# KiCad board klofi_3x5.kicad_pcb (continued)
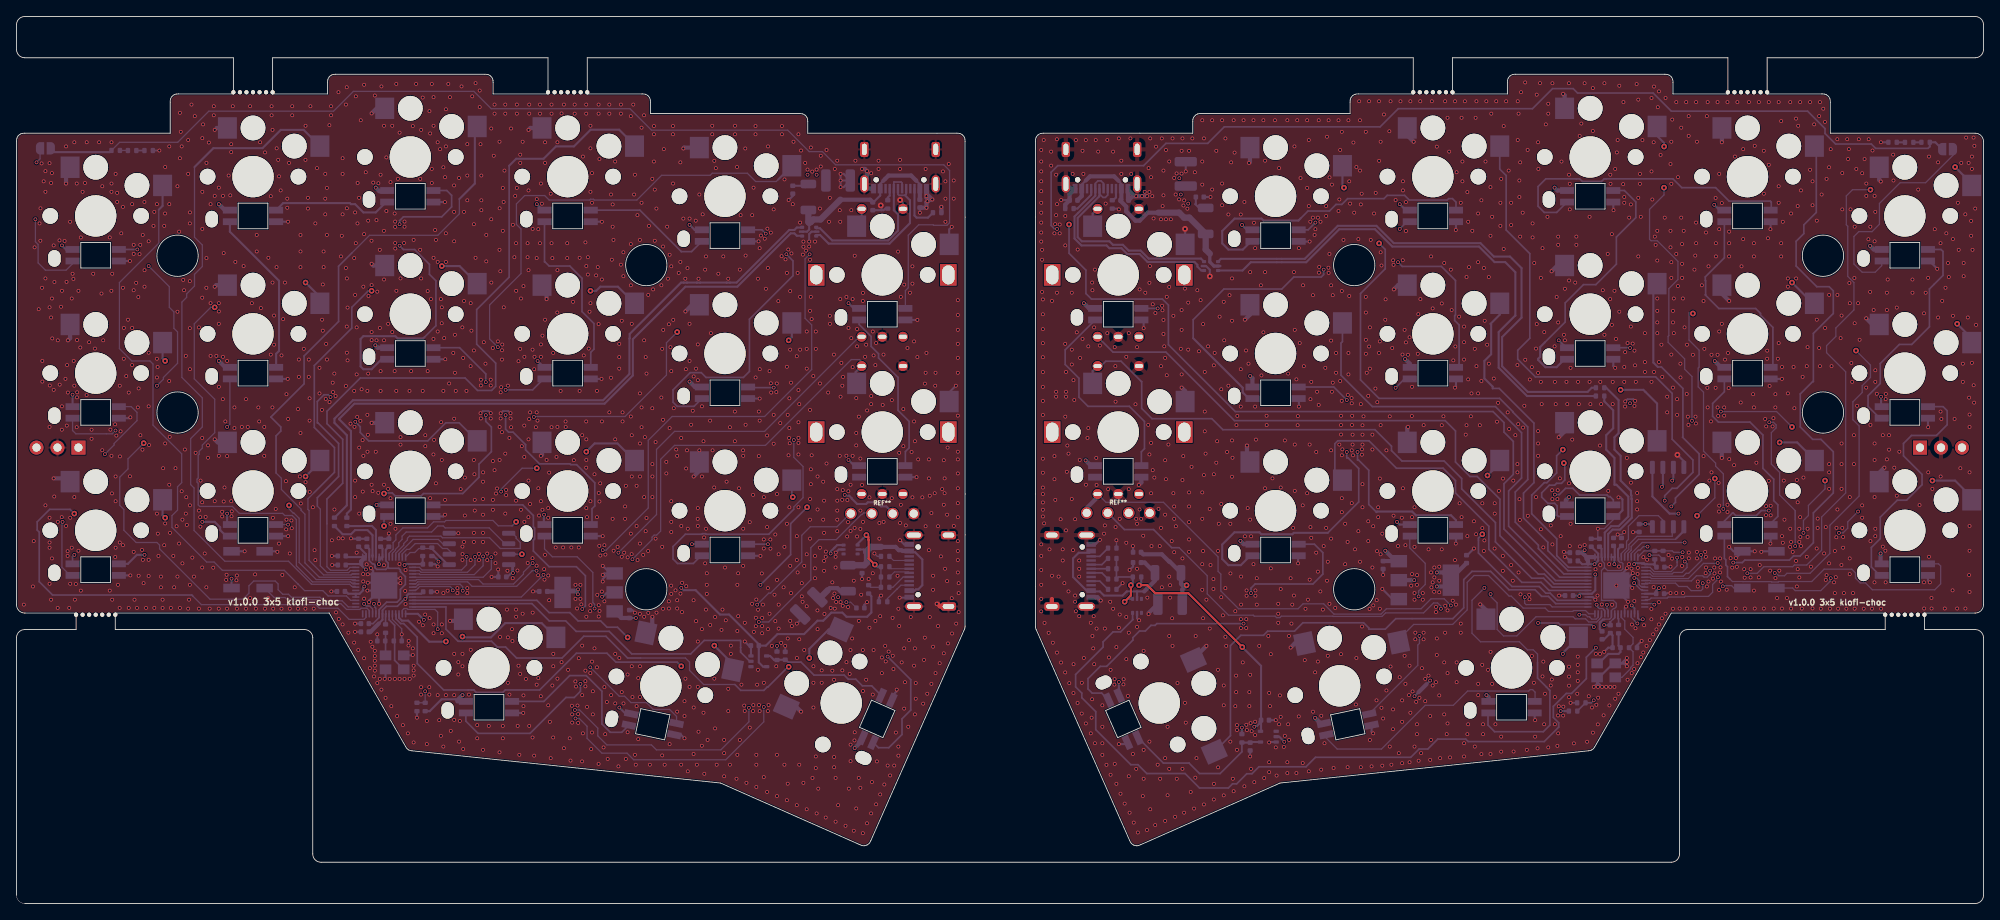
[diagram p0: board, top side]
## Routing (per net, layer and track width the routed paths; a pad name or vN(x,y) marks a point on that pad's centre or on a via; arc(x,y) is an arc through that point) (continued)
GNDR: length 150.9
  Front w0.508: J6.S3 125.37,36.88
  Back w0.152: v1(133.19,44.02) 133.2,44.01 rR8.1 ; v1(193.89,44.72) 194.31,44.3 rC9.2 ; v1(193.89,44.72) 193.47,44.3 rC16.2 ; v1(193.89,44.72) 194.39,44.72 v1(194.69,45.02) ; v1(133.94,38.82) 133.94,38.81 ; rLED16.3 193.36,46.52 192.26,45.42 v1(191.49,45.42) 191.49,44.4 rC17.2 ; 137.09,35.19 v1(137.09,35.07)
  Back w0.203: v1(200.29,37.62) 199.89,37.62 199.81,37.54 rC11.2 ; v1(196,60.92) 195.8,61.12 195.08,61.12 v1(194.81,60.85) ; rU5.19 194.73,35.81 v1(194.91,35.98) ; 133.94,38.81 rR7.1 ; rR2.2 v1(188.19,24.32)
  Back w0.254: v1(192.25,30.5) 192.75,31 rC23.2 193.27,32.5 rC10.2 192.25,32.02 rC8.2 ; 141.27,79.12 141.47,79.32 141.94,79.32 142.04,79.42 ; v1(137.69,83.02) 137.79,83.02 ; rC12.2 v1(186.8,37.32) ; v1(174.29,81.62) 174.31,81.64 rLED5.3 ; rLED4.3 193.36,84.04 v1(193.39,84.02) ; v1(191,26.25) 191.4,26.65 rY1.2 ; 201,54.5 201.91,53.59 rU3.4 ; v2(144.5,76) 144.5,76.8 144.05,77.25 rU2.2 ; rR18.2 v1(225.77,92.25) ; v1(174.29,43.62) 174.31,43.64 rLED17.3 ; rLED20.3 164.09,20.81 v1(164.29,20.62) ; 194.35,29.1 194.85,29.1 v1(195,29.25) ; 194.35,29.1 v1(195,29.75) v1(195,28.75) 194.65,29.1 194.35,29.1 ; 194.35,29.1 rY1.4 193.35,29.1 191.65,27.4 rY1.2 ; rC20.2 135.21,43.3 v1(135.19,43.32) ; v1(212.39,43.62) 212.41,43.64 rLED15.3 ; v1(193.73,38.54) 193.73,39.36 194.39,40.01 194.45,40.01 194.86,40.42 194.86,40.48 v1(195.01,40.63) ; v1(193.73,38.54) 195.36,38.54 v1(195.66,38.24) ; v1(193.73,38.54) 193.73,37.97 v1(195.15,36.56) ; v1(193.73,38.54) 194.21,38.54 v1(195.72,40.05) ; v1(193.73,38.54) 193.17,39.11 ; v1(195.75,45) 195.77,45.02 rC3.2 ; v1(187.49,42.02) 187.61,42.02 rC13.2 ; rLED8.3 231.46,57.74 v1(231.49,57.72) ; v1(136.49,69.72) 136.49,70.44 rEXLED1.3 ; v1(191.5,26.25) 191.4,26.35 rY1.2 ; rC22.2 196.23,31.26 v1(196.79,31.82) ; rY1.2 191.4,26.85 v1(192,26.25) v1(193.5,26.25) ; v1(193.59,64.92) 193.36,65.14 rLED10.3 ; v1(126.5,85.25) 127.49,85.25 rC6.2 ; rSW10.2 186.59,77.32 ; 206.51,92.26 v1(206.5,92.25) ; rSW21.2 142.52,29.65 ; v1(134.79,40.42) 135.21,40.84 rC21.2 ; v1(155.19,41.22) 155.19,42.07 rLED18.3 ; v1(174.19,62.52) 174.31,62.64 rLED11.3 ; v1(183.89,22.22) 183.84,22.27 rLED19.3 ; v1(213.79,63.57) rLED9.3 ; v1(149.39,17.82) rC25.2 ; J6.B1 130.64,43.52 v1(131.19,44.07) ; rSMDSW2.1 211.35,42.68 v1(211.29,42.62) ; rLED3.3 212.41,81.74 v1(212.39,81.72) ; v1(133.49,84.12) 133.4,84.21 rR6.1 ; rU6.3 151.74,19.57 v1(151.69,19.52) ; v1(193.99,49.22) 194.22,49.22 194.47,48.97 194.47,47.64 193.74,46.9 rLED16.3 ; rU5.32 190.87,37.14 v1(191.19,36.82) ; v1(200.29,40.82) 200.23,40.76 rC15.2 ; rSMDSW1.1 208.99,42.63 v1(208.21,41.85) ; rSMDSW1.1 v1(210.49,42.68) ; rSMDSW1.1 207.93,42.68 v1(207.39,43.22) ; rLED6.3 155.29,80.22 v1(156.59,80.22) ; rC2.2 175.68,42.21 v1(176.49,43.02) ; rC24.2 v1(152.49,22.22) ; rSW9.2 206.51,73.89 ; 206.5,55.87 rSW15.2 ; v1(133.49,19.32) 134.31,19.32 rLED21.3 ; rU4.2 135.69,34.57 v1(135.94,34.32) ; v1(165.49,39.82) rC1.2 ; rC4.2 v1(141.59,88.72) ; rLED12.3 155.29,61.17 v1(155.29,60.22) ; v2(141.5,81.75) 141.51,81.74 rEXSW1.S1 ; rSW8.2 224.73,70.17 ; rC5.2 v1(144.59,85.62) ; v1(231.69,38.92) 231.46,39.14 rLED14.3 ; rU1.1 166.62,36.88 v1(165.39,38.12) ; rC14.2 187.49,42.52 v1(187.39,42.62) ; rC18.2 rC17.2 ; v1(232.59,76.92) 231.65,77.86 rLED2.3 ; 142.03,78.92 142.5,78.92
  Back w0.508: v1(136.91,85.72) 135.4,85.72 134.59,86.53 J5.B1 134.59,85.3 rC7.2 135.17,85.72 v1(135.59,85.72) ; v1(149.25,89.75) 149.36,89.86 rSW6.2 ; v1(206.5,54) 206.5,55.87 ; rSW19.2 177.94,35.56 v1(177.25,36.25) ; J5.A1 127.52,85.96 rC6.2 126.99,84.69 rR5.1 ; J5.A1 127.64,86.63 J5.S1 ; J5.A1 128.19,86.42 ; v1(149,55.5) 149,53.87 rSW18.2 ; rSW3.2 206.51,92.26 ; v1(168.5,57.75) 168.41,57.66 rSW17.2 ; rSW5.2 168.41,93.09 v1(169.19,92.32) ; 186.59,77.32 v1(185.89,76.62) ; rEXSW2.S1 141.51,62.09 v1(141.09,62.52) ; 206.51,73.89 v1(207.39,73.02) ; J6.A1 130.89,37.12 v1(131.29,36.72) ; rSW16.2 187.46,57.21 v1(186.75,56.5) ; rC19.2 137.09,35.19 ; v1(148.75,70.75) 149.36,71.36 rSW12.2 ; 142.52,29.65 v1(144.09,31.22) ; v1(225.75,87.5) 225.56,87.69 rSW2.2 ; rSW11.2 167.31,74.94 v1(166.79,74.42) ; rSW4.2 187.46,97.94 v1(187.29,98.12) ; v1(226.19,52.82) 225.56,52.19 rSW14.2 ; v1(135.9,50.72) 136.21,51.03 rEXLED2.3 ; v1(154.29,31.02) 154.78,31.51 rSW20.2 ; 224.73,70.17 v1(223.99,70.92)
  Back w0.762: 141.79,80.32 141.99,80.32
  vias: v1(124.09,91.32) v1(124.09,89.92) v1(124.09,88.72) v1(124.09,87.52) v1(124.09,86.32) v1(124.09,84.92) v1(124.09,83.72) v1(124.09,82.52) v1(124.09,81.32) v1(124.09,80.22) v1(124.09,43.52) v1(124.09,42.12) v1(124.09,40.42) v1(124.09,38.62) v1(124.09,36.92) v1(124.09,35.4) v1(124.19,79.22) v1(124.19,78.02) v1(124.19,74.12) v1(124.29,73.2) v1(124.29,71.4) v1(124.29,69.6) v1(124.29,67.9) v1(124.29,66.2) v1(124.29,64.4) v1(124.29,62.6) v1(124.29,60.9) v1(124.29,59.2) v1(124.29,53.9) v1(124.29,52.2) v1(124.29,50.4) v1(124.29,49.62) v1(124.29,48.6) v1(124.29,47.72) v1(124.29,46.9) v1(124.39,92.52) v1(124.44,46.07) v1(124.49,34) v1(124.99,32.8) v1(125.09,42.92) v1(125.29,91.12) v1(125.29,89.42) v1(125.39,73.02) v1(125.39,39.72) v1(125.49,31.6) v1(125.77,82.33) v1(125.68,81.21) v1(125.69,54.22) v1(125.69,51.42) v1(125.79,48.92) v1(125.89,88.32) v1(125.89,83.42) v1(125.89,62.02) v1(125.89,61.42) v1(125.99,92.62) v1(126,84.75) v1(125.99,74.02) v1(125.99,30.4) v1(126.19,39.62) v1(126.32,82.29) v1(126.32,81.21) v1(126.44,46.57) v1(126.49,29.2) v1(126.69,42.92) v1(126.69,41.57) v1(126.89,38.82) v1(127,83.32) v1(127,79.75) v1(126.99,67.82) v1(127,59) v1(126.99,28) v1(127.09,64.42) v1(127.09,62.02) v1(127.09,61.42) v1(127.09,45.22) v1(127.25,55.5) v1(127.19,52.32) v1(127.39,54.52) v1(127.39,37.82) v1(127.49,26.7) v1(127.79,74.02) v1(127.79,67.12) v1(127.79,65.32) v1(127.79,49.02) v1(127.89,88.42) v1(127.94,42.82) v1(127.99,63.42) v1(128,29) v1(127.99,25.5) v1(128.09,61.02) v1(128.19,46.57) v1(128.19,37.32) v1(128.19,36.57) v1(128.29,92.52) v1(128.29,35.42) v1(128.39,69.22) v1(128.5,79.25) v1(128.49,24.3) v1(128.75,53.75) v1(128.69,41.57) v1(128.69,40.57) v1(128.69,39.62) v1(128.69,34.82) v1(128.79,66.12) v1(129,26.75) v1(128.99,23.02) v1(129.09,91.22) v1(129.09,68.42) v1(129.19,88.42) v1(129.25,29.75) v1(129.49,92.52) v1(129.5,50.75) v1(129.49,21.82) v1(129.69,56.42) v1(129.79,67.52) v1(129.79,57.62) v1(130.09,34.02) v1(130.09,20.62) v1(130.25,75.25) v1(130.25,24.75) v1(130.19,22.52) v1(130.29,74.32) v1(130.29,32.42) v1(130.44,34.82) v1(130.39,30.92) v1(130.49,69.82) v1(130.5,29) v1(130.59,76.82) v1(130.59,19.42) v1(130.69,92.52) v1(130.75,54) v1(130.79,50.72) v1(130.79,33.32) v1(130.99,91.12) v1(131.19,67.62) v1(131.49,24.02) v1(131.49,21.42) v1(131.49,19.42) v1(131.49,18) v1(131.69,44.82) v1(131.79,45.82) v1(131.79,33.32) v1(131.89,84.82) v1(131.99,16.8) v1(132.09,92.52) v1(132.09,69.12) v1(132.19,50.22) v1(132.29,29.82) v1(132.44,36.57) v1(132.49,28.32) v1(132.49,15.6) v1(132.79,91.12) v1(132.79,35.72) v1(132.97,27.2) v1(132.95,26.53) v1(132.99,67.42) v1(133.06,65.12) v1(132.99,16.92) v1(133.09,60.82) v1(133.09,45.62) v1(133.19,31.07) v1(133.19,14.5) v1(133.49,92.72) v1(133.49,33.42) v1(133.59,46.62) v1(133.59,35.02) v1(133.69,13.3) v1(133.79,90.02) v1(133.79,88.42) v1(134.06,27.18) v1(134.04,26.55) v1(134.19,12.1) v1(134.39,66.25) v1(134.39,43.72) v1(134.39,34.72) v1(134.39,29.62) v1(134.58,25.15) v1(134.69,69.12) v1(134.69,50.22) v1(134.69,32.82) v1(134.69,15.42) v1(134.79,11) v1(134.89,92.72) v1(134.99,88.42) v1(135.19,18.12) v1(135.29,9.8) v1(135.5,60.5) v1(135.59,46.62) v1(135.59,16.32) v1(135.69,67.42) v1(135.69,46.02) v1(135.69,40.57) v1(135.69,33.52) v1(135.79,8.6) v1(136,74.42) v1(136,47.75) v1(136.19,46.62) v1(136.29,85.72) v1(136.44,44.57) v1(136.39,13.02) v1(136.49,30.62) v1(136.49,18.62) v1(136.49,15.12) v1(136.61,86.25) v1(136.69,74.02) v1(136.94,37.07) v1(136.89,8.9) v1(137.04,58) v1(137.09,89.12) v1(137.19,86.22) v1(137.25,77.25) v1(137.19,75.22) v1(137.19,54.42) v1(137.19,19.62) v1(137.29,92.72) v1(137.29,11.42) v1(137.39,88.02) v1(137.39,55.82) v1(137.39,49.72) v1(137.44,43.32) v1(137.54,85.72) v1(137.59,72.62) v1(137.59,52.52) v1(137.79,51.62) v1(137.91,71.56) v1(137.89,9.5) v1(137.99,91.72) v1(138.19,16.82) v1(138.29,47.82) v1(138.44,43.32) v1(138.49,15.12) v1(138.59,82.92) v1(138.59,65.12) v1(138.59,45.52) v1(138.69,92.72) v1(138.72,72.44) v1(138.77,71.89) v1(138.69,38.32) v1(138.79,84.52) v1(138.89,88.82) v1(138.89,85.82) v1(138.89,70.72) v1(138.89,69.02) v1(138.99,67.52) v1(139.09,66.12) v1(139.09,53.72) v1(139.09,47.12) v1(139.09,17.62) v1(139.09,10) v1(139.19,91.32) v1(139.19,82.92) v1(139.19,51.42) v1(139.29,73.52) v1(139.29,64.02) v1(139.39,21.42) v1(139.39,13.12) v1(139.49,55.62) v1(139.59,89.92) v1(139.59,74.72) v1(139.59,39.62) v1(139.59,32.42) v1(139.59,16.32) v1(139.69,38.57) v1(139.69,37.07) v1(139.79,82.92) v1(139.89,43.92) v1(139.94,34.57) v1(139.99,92.72) v1(139.99,31.22) v1(140.09,71.22) v1(140.09,49.72) v1(140.19,87.92) v1(140.19,48.12) v1(140.19,46.62) v1(140.19,42.57) v1(140.36,85.92) v1(140.29,10.5) v1(140.39,45.72) v1(140.48,88.48) v1(140.5,15.12) v1(140.59,26.72) v1(140.78,85.33) v1(140.99,67.22) v1(141.09,91.22) v1(141.08,88.45) v1(141.09,71.92) v1(141.09,69.52) v1(141.09,64.12) v1(141.19,92.72) v1(141.19,51.32) v1(141.19,41.82) v1(141.19,16.32) v1(141.31,84.59) v1(141.29,54.22) v1(141.4,85.21) v1(141.39,11) v1(141.49,74.52) v1(141.49,24.32) v1(141.59,21.92) v1(141.78,84.2) v1(141.89,72.82) v1(141.89,67.12) v1(141.99,91.22) v1(141.99,49.82) v1(141.99,48.12) v1(141.99,46.22) v1(141.99,44.12) v1(141.99,42.62) v1(142.19,13.52) v1(142.29,52.92) v1(142.39,92.72) v1(142.59,11.5) v1(142.69,88.62) v1(142.75,15.25) v1(142.79,32.42) v1(142.89,17.62) v1(142.99,74.32) v1(143.19,66.92) v1(143.39,73.12) v1(143.59,94.92) v1(143.59,89.92) v1(143.59,87.12) v1(143.59,49.82) v1(143.59,46.62) v1(143.59,41.12) v1(143.59,38.02) v1(143.69,70.22) v1(143.69,42.72) v1(143.69,34.57) v1(143.79,92.72) v1(143.79,51.92) v1(143.79,12) v1(143.89,64.42) v1(143.89,59.62) v1(143.89,57.22) v1(143.99,54.52) v1(144.09,36.82) v1(144.29,67.52) v1(144.49,47.82) v1(144.49,33.32) v1(144.59,41.02) v1(144.79,94.92) v1(144.79,86.52) v1(144.94,39.32) v1(144.94,38.12) v1(144.99,65.22) v1(144.99,52.02) v1(145,14.5) v1(144.99,12.6) v1(145.09,66.72) v1(145.29,91.22) v1(145.29,53.42) v1(145.39,56.02) v1(145.49,42.72) v1(145.49,28.32) v1(145.5,16.5) v1(145.59,46.02) v1(145.69,71.12) v1(145.89,62.32) v1(145.89,48.42) v1(145.89,37.12) v1(145.99,94.92) v1(145.99,87.25) v1(145.99,84.62) v1(146.09,34.92) v1(146.19,72.92) v1(146.25,68.25) v1(146.19,26.42) v1(146.19,24.02) v1(146.19,13.1) v1(146.39,92.72) v1(146.39,38.22) v1(146.39,32.32) v1(146.49,31.22) v1(146.59,54.72) v1(146.75,83.5) v1(146.75,62.75) v1(146.89,73.72) v1(146.99,46.02) v1(147,40) v1(146.99,19.62) v1(147.09,89.82) v1(147.19,75.75) v1(147.19,70.62) v1(147.19,56.12) v1(147.25,54.02) v1(147.19,51.72) v1(147.29,15.12) v1(147.39,94.92) v1(147.39,13.6) v1(147.5,91) v1(147.59,35.42) v1(147.59,23.92) v1(147.73,57.98) v1(147.69,27.62) v1(147.69,25.62) v1(147.83,59.09) v1(147.79,21.62) v1(147.79,21.02) v1(147.79,18.62) v1(148.25,83.5) v1(148.25,64.75) v1(148.25,60.22) v1(148.27,34.45) v1(148.27,33.38) v1(148.29,39.62) v1(148.29,36.22) v1(148.49,29.22) v1(148.59,94.92) v1(148.69,85.02) v1(148.75,44.5) v1(148.69,14.2) v1(148.89,67.02) v1(148.95,37.94) v1(148.95,37.3) v1(148.92,34.46) v1(148.91,33.38) v1(148.92,21.66) v1(148.99,21.02) v1(149.09,47.92) v1(149.19,65.42) v1(149.29,25.62) v1(149.29,23.92) v1(149.39,76.52) v1(149.39,46.52) v1(149.39,27.72) v1(149.44,21.85) v1(149.5,44.5) v1(149.57,20.88) v1(149.49,16.32) v1(149.79,94.92) v1(149.85,82.5) v1(149.79,41.12) v1(149.89,14.7) v1(149.99,79.42) v1(149.99,60.22) v1(150.02,37.94) v1(150.02,37.3) v1(149.99,22.04) v1(149.98,20.41) v1(150.09,56.22) v1(150.19,39.42) v1(150.19,36.22) v1(150.49,31.22) v1(150.69,74.92) v1(150.75,64) v1(150.99,94.92) v1(150.99,69.22) v1(151.09,15.2) v1(151.19,90.02) v1(151.19,76.52) v1(151.19,50.32) v1(151.37,59.11) v1(151.39,57.98) v1(151.59,32.42) v1(151.69,25.52) v1(151.69,17.12) v1(151.69,15.92) v1(151.79,23.92) v1(151.89,40.62) v1(151.89,30.22) v1(152.09,51.52) v1(152.39,94.92) v1(152.49,18.92) v1(152.59,15.5) v1(152.79,36.32) v1(152.79,35.12) v1(152.79,34.02) v1(152.89,89.12) v1(152.89,21.72) v1(152.99,25.22) v1(153.09,50.42) v1(153.09,38.12) v1(153.09,22.62) v1(153.47,18.98) v1(153.59,56.12) v1(153.59,20.32) v1(153.89,94.92) v1(153.89,17.12) v1(153.89,15.8) v1(153.99,64.22) v1(153.99,21.72) v1(154.09,32.42) v1(154.1,19.82) v1(154.29,39.42) v1(154.39,33.92) v1(154.49,36.22) v1(154.59,45.52) v1(154.75,91.75) v1(154.69,76.52) v1(154.69,37.32) v1(154.79,69.52) v1(154.79,55.62) v1(154.79,50) v1(154.99,63.52) v1(154.99,15.8) v1(155.09,94.92) v1(155.16,59.07) v1(155.14,57.96) v1(155.27,22.67) v1(155.29,79.42) v1(155.39,67.92) v1(155.49,87.92) v1(155.75,48.25) v1(155.75,17.02) v1(155.79,74.92) v1(155.89,65.12) v1(156,29.5) v1(156.09,35.72) v1(156.29,94.92) v1(156.29,86.72) v1(156.29,49.72) v1(156.39,36.82) v1(156.49,92.52) v1(156.49,84.52) v1(156.49,16.02) v1(156.67,82.62) v1(156.59,55.62) v1(156.59,39.25) v1(156.69,61.12) v1(156.69,45.62) v1(156.79,63.22) v1(156.79,44.32) v1(156.99,83.12) v1(156.99,73.72) v1(157,23.25) v1(157.19,81.02) v1(157.25,28.02) v1(157.29,81.72) v1(157.39,54.72) v1(157.39,42.52) v1(157.49,62.02) v1(157.59,83.12) v1(157.59,40.22) v1(157.59,29.32) v1(157.69,94.92) v1(157.75,77.14) v1(157.72,76.45) v1(157.69,60.42) v1(157.9,82.62) v1(157.89,37.82) v1(158,22.75) v1(157.99,16.22) v1(158.19,35.62) v1(158.29,43.32) v1(158.39,19.42) v1(158.49,64.92) v1(158.59,84.52) v1(158.59,83.32) v1(158.59,45.52) v1(158.69,92.92) v1(158.69,39.12) v1(158.87,77.05) v1(158.79,41.42) v1(158.79,30.02) v1(158.89,94.92) v1(158.89,76.42) v1(159,88) v1(158.99,78.72) v1(158.99,36.32) v1(159.19,74.92) v1(159.19,68.22) v1(159.19,54.92) v1(159.19,44.22) v1(159.29,87.12) v1(159.29,62.02) v1(159.39,73.72) v1(159.39,63.12) v1(159.49,16.42) v1(159.69,35.82) v1(159.79,66.72) v1(159.79,64.32) v1(160.09,94.92) v1(160.09,83.92) v1(160.19,85.32) v1(160.19,55.62) v1(160.29,91.32) v1(160.29,63.32) v1(160.47,60.92) v1(160.39,59.1) v1(160.38,57.98) v1(160.39,56.83) v1(160.39,30.22) v1(160.49,93.52) v1(160.49,74.22) v1(160.55,55.04) v1(160.49,54.32) v1(160.49,49.12) v1(160.49,47.42) v1(160.69,80.42) v1(160.89,46.02) v1(160.89,41.12) v1(161.21,61.63) v1(161.19,43.82) v1(161.19,16.52) v1(161.29,94.92) v1(161.29,66.72) v1(161.29,64.12) v1(161.39,87.52) v1(161.39,73.62) v1(161.49,84.82) v1(161.67,61.25) v1(161.69,60.62) v1(161.74,59.1) v1(161.72,57.99) v1(161.69,54.92) v1(161.69,48.52) v1(161.79,56.82) v1(161.79,55.62) v1(161.84,54.31) v1(161.89,92.22) v1(161.99,83.72) v1(162.09,42.92) v1(162.25,89.25) v1(162.25,29.75) v1(162.19,24.12) v1(162.49,80.52) v1(162.49,45.12) v1(162.59,97.22) v1(162.69,94.92) v1(162.69,88.82) v1(162.69,41.42) v1(162.79,84.72) v1(162.79,60.52) v1(162.79,16.52) v1(162.89,86.02) v1(162.92,55.04) v1(162.92,54.39) v1(162.94,33.57) v1(162.99,57.95) v1(162.99,56.82) v1(162.99,55.62) v1(162.99,50.82) v1(162.99,48.02) v1(163.11,59.03) v1(163.39,93.52) v1(163.39,73.52) v1(163.4,71.62) v1(163.4,68.32) v1(163.4,66.62) v1(163.5,64.32) v1(163.69,61.52) v1(163.69,46.32) v1(163.69,43.92) v1(163.79,97.22) v1(163.79,67.5) v1(163.84,35.69) v1(163.89,69.82) v1(163.89,64.82) v1(163.89,19.82) v1(163.99,80.42) v1(164.09,16.62) v1(164.19,56.82) v1(164.19,55.02) v1(164.19,40.72) v1(164.29,45.72) v1(164.3,36.13) v1(164.39,83.62) v1(164.55,62.4) v1(164.59,86.12) v1(164.75,42.7) v1(164.71,36.76) v1(164.69,24.62) v1(164.78,60.75) v1(164.89,48.02) v1(164.89,46.82) v1(164.99,97.22) v1(165,90) v1(164.99,66.72) v1(165.09,68.12) v1(165.09,51.5) v1(165.09,35.72) v1(165.19,92.32) v1(165.19,78.92) v1(165.19,57.98) v1(165.19,42.32) v1(165.29,77.32) v1(165.29,23.72) v1(165.39,44.82) v1(165.39,16.7) v1(165.49,22.42) v1(165.59,95.62) v1(165.75,70.75) v1(165.79,73.22) v1(165.89,54.92) v1(165.89,25.82) v1(166.24,93.59) v1(166.29,59.03) v1(166.29,19.02) v1(166.39,97.22) v1(166.39,28.72) v1(166.49,16.82) v1(166.59,67.32) v1(166.71,77.95) v1(166.75,77.4) v1(166.75,47) v1(166.69,23.52) v1(166.69,21.12) v1(167,85.25) v1(167.29,43.32) v1(167.39,18.22) v1(167.49,27.42) v1(167.59,97.22) v1(167.75,46.75) v1(167.87,77.95) v1(167.83,66.53) v1(167.79,24.62) v1(167.79,22.02) v1(167.79,17) v1(167.89,87.52) v1(167.89,86.42) v1(167.89,50.32) v1(168.09,69.52) v1(168.09,30.02) v1(168.25,85) v1(168.25,81.5) v1(168.25,68) v1(168.19,43.42) v1(168.19,26.62) v1(168.5,66.5) v1(168.62,25.25) v1(168.69,68.62) v1(168.69,28.82) v1(168.69,17.12) v1(168.79,97.22) v1(168.79,23.12) v1(168.97,59.08) v1(168.89,38.52) v1(168.99,62.62) v1(168.99,46.82) v1(168.99,39.92) v1(169.06,25.7) v1(169.29,48.02) v1(169.29,43.22) v1(169.29,37.62) v1(169.29,36.82) v1(169.29,19.02) v1(169.39,32.82) v1(169.39,32.02) v1(169.49,24.44) v1(169.6,39.8) v1(169.59,38.62) v1(169.59,21.72) v1(169.59,20.52) v1(169.75,71.42) v1(169.69,66.62) v1(169.79,17.3) v1(169.89,24.92) v1(169.99,97.22) v1(170,73.25) v1(170.09,18.22) v1(170.19,28.52) v1(170.29,37.62) v1(170.29,36.82) v1(170.4,57.97) v1(170.39,32.82) v1(170.39,32.02) v1(170.59,27.22) v1(170.59,24.52) v1(170.99,42.92) v1(170.98,27.62) v1(171.19,22.72) v1(171.19,17.4) v1(171.29,78.42) v1(171.29,40.12) v1(171.34,38.31) v1(171.29,19.82) v1(171.39,97.22) v1(171.49,72.12) v1(171.49,38.92) v1(171.49,26.42) v1(171.67,37.79) v1(171.69,40.72) v1(171.69,39.52) v1(171.89,35.94) v1(171.89,35.32) v1(171.89,26.82) v1(171.99,91.72) v1(171.99,32.12) v1(171.99,30.12) v1(172.29,40.82) v1(172.29,39.12) v1(172.29,37.72) v1(172.29,25.22) v1(172.39,17.62) v1(172.59,72.72) v1(172.59,57.96) v1(172.59,42.92) v1(172.79,59.04) v1(172.89,77.62) v1(172.89,29.22) v1(172.89,22.92) v1(172.99,97.22) v1(173.01,36.08) v1(172.99,32.82) v1(173.19,20.52) v1(173.29,95.22) v1(173.29,35.52) v1(173.29,27.92) v1(173.29,21.82) v1(173.49,91.12) v1(173.59,17.7) v1(173.69,76.82) v1(173.79,71.92) v1(173.92,36.7) v1(173.99,65.82) v1(174.19,97.22) v1(174.23,67.5) v1(174.19,41.62) v1(174.3,36.22) v1(174.39,88.62) v1(174.39,29.22) v1(174.39,26.82) v1(174.69,71.12) v1(174.75,48.5) v1(174.89,84.92) v1(174.89,33.92) v1(174.89,32.82) v1(174.99,95.22) v1(174.99,46.82) v1(175.09,89.92) v1(175.09,87.52) v1(175.29,69.92) v1(175.29,68.02) v1(175.29,65.92) v1(175.29,19.42) v1(175.29,17.82) v1(175.39,97.22) v1(175.49,56.82) v1(175.59,75.92) v1(175.59,57.96) v1(175.69,86.22) v1(175.69,44.52) v1(175.69,20.52) v1(175.79,82.62) v1(175.79,63.52) v1(175.79,21.72) v1(175.89,77.12) v1(176.12,59.04) v1(176.19,61.82) v1(176.29,81.52) v1(176.49,46.32) v1(176.59,67.22) v1(176.59,19.02) v1(176.69,95.22) v1(176.75,44.75) v1(176.79,97.22) v1(176.79,65.12) v1(176.99,83.62) v1(176.99,77.72) v1(176.99,61.82) v1(177,26.62) v1(177,25.25) v1(177.2,57.96) v1(177.39,85.22) v1(177.39,63.32) v1(177.39,18.1) v1(177.5,48.5) v1(177.5,45.5) v1(177.49,28.92) v1(177.59,21.72) v1(177.59,20.52) v1(177.69,77.02) v1(177.75,44) v1(177.69,42.72) v1(177.79,70.62) v1(177.89,89.92) v1(177.99,97.22) v1(178.09,67.72) v1(178.19,28.32) v1(178.29,75.92) v1(178.29,65.42) v1(178.49,86.82) v1(178.49,80.92) v1(178.5,30.5) v1(178.49,18.12) v1(178.59,95.72) v1(178.69,83.22) v1(178.69,26.62) v1(178.89,63.62) v1(179,48.5) v1(179,47.25) v1(178.99,43.02) v1(179.09,21.72) v1(179.19,97.22) v1(179.27,58.39) v1(179.41,60.68) v1(179.5,50) v1(179.69,84.92) v1(179.69,82.12) v1(179.79,87.82) v1(179.79,20.22) v1(179.79,18.4) v1(180,51.5) v1(179.99,42.12) v1(179.99,40.32) v1(180.09,94.22) v1(180.09,79.32) v1(180.39,97.22) v1(180.57,59.52) v1(180.69,88.82) v1(180.75,57.5) v1(180.99,84.92) v1(180.99,82.22) v1(180.99,41.02) v1(181.25,51.25) v1(181.19,39.12) v1(181.29,18.42) v1(181.5,56.75) v1(181.75,65.25) v1(181.75,53.25) v1(181.75,52.25) v1(181.79,97.22) v1(181.79,92.52) v1(181.85,58.1) v1(181.89,95.72) v1(181.89,40.12) v1(181.99,87.62) v1(181.99,85.62) v1(182,49) v1(182.05,46.48) v1(182.09,89.82) v1(182.09,80.82) v1(182.12,37.47) v1(182.19,98.32) v1(182.39,83.72) v1(182.43,57.68) v1(182.59,60.32) v1(182.69,99.5) v1(182.7,65.9) v1(182.89,18.62) v1(182.99,91.32) v1(183.01,46.98) v1(183.25,63.5) v1(183.19,37.42) v1(183.21,36.86) v1(183.5,65) v1(183.5,30) v1(183.59,82.42) v1(183.59,80.72) v1(183.75,26.75) v1(183.79,77.62) v1(183.89,20.22) v1(184,67.25) v1(184,49.25) v1(184.09,98.02) v1(184.09,70.22) v1(184.25,92.25) v1(184.25,64.3) v1(184.25,57.25) v1(184.25,55.75) v1(184.25,54.25) v1(184.19,18.8) v1(184.29,89.02) v1(184.49,99.42) v1(184.59,75.82) v1(184.59,63.22) v1(184.59,45.35) v1(184.69,60.52) v1(184.79,79.42) v1(184.79,27.52) v1(184.89,43.16) v1(184.89,29.32) v1(185,69.25) v1(184.99,21.72) v1(185.09,25.42) v1(185.19,94.42) v1(185.39,83.22) v1(185.49,96.92) v1(185.49,95.72) v1(185.49,18.92) v1(185.79,45.82) v1(185.79,26.42) v1(185.95,50.08) v1(185.91,27.14) v1(185.99,99.4) v1(185.98,49.01) v1(185.99,43.52) v1(186.25,67.52) v1(186.29,63.22) v1(186.29,25.02) v1(186.29,21.72) v1(186.39,60.52) v1(186.5,73.5) v1(186.63,50.08) v1(186.59,49.01) v1(186.66,22.79) v1(186.59,19.1) v1(186.69,80.82) v1(186.69,79.82) v1(186.69,70.42) v1(186.76,23.9) v1(186.69,20.62) v1(186.89,51.52) v1(186.99,44.52) v1(187.09,89.91) v1(187.31,23.85) v1(187.29,22.77) v1(187.39,68.92) v1(187.5,74.5) v1(187.5,68.25) v1(187.69,63.22) v1(187.79,60.52) v1(187.99,99.4) v1(188,88.32) v1(188,75.5) v1(188,50.92) v1(188,28.7) v1(188,27.5) v1(188,26.4) v1(188,25) v1(188.09,87.22) v1(188.09,84.12) v1(188.09,43.32) v1(188.19,64.92) v1(188.19,46.02) v1(188.39,56.22) v1(188.59,19.4) v1(188.75,75.25) v1(188.89,80.82) v1(188.89,79.82) v1(189.06,29.92) v1(189.06,28.92) v1(189.06,28.02) v1(189.06,26.97) v1(189,25.42) v1(189.09,63.22) v1(189.19,60.52) v1(189.29,93.02) v1(189.32,43.27) v1(189.49,94.52) v1(189.89,99.4) v1(189.89,43.44) v1(190.19,19.6) v1(190.39,25.12) v1(190.49,83.22) v1(190.49,63.22) v1(190.59,60.52) v1(190.78,23.75) v1(190.89,98.82) v1(190.89,93.62) v1(190.89,20.7) v1(191.21,40.51) v1(191.25,30.25) v1(191.31,24.08) v1(191.45,37.32) v1(191.52,24.94) v1(191.49,21.7) v1(191.75,55.5) v1(191.75,30.25) v1(191.79,63.22) v1(191.79,41.02) v1(191.89,60.52) v1(191.96,36.24) v1(192.09,74.32) v1(192.19,22.8) v1(192.29,99.4) v1(192.29,68.92) v1(192.5,26.25) v1(192.69,78.72) v1(192.75,50) v1(192.86,41.12) v1(192.89,24) v1(193,88.32) v1(193.02,87.22) v1(192.99,73.25) v1(193,26.25) v1(193.19,81.12) v1(193.19,70.12) v1(193.21,36.2) v1(193.29,63.22) v1(193.29,60.52) v1(193.5,74.25) v1(193.59,89.02) v1(193.59,24.82) v1(193.69,68.42) v1(193.79,91.02) v1(193.89,92.52) v1(194.05,40.83) v1(193.99,25.42) v1(194.09,99.1) v1(194.09,71.72) v1(194.55,87.18) v1(194.59,97.12) v1(194.69,85.62) v1(194.69,84.92) v1(194.69,65.02) v1(194.69,63.22) v1(194.79,66.82) v1(194.78,60.23) v1(195,54) v1(195.09,67.92) v1(195.09,27.12) v1(195.26,41.12) v1(195.29,83.12) v1(195.49,84.72) v1(195.49,69.92) v1(195.5,51) v1(195.57,40.58) v1(195.61,33.8) v1(195.59,27.92) v1(195.71,67.85) v1(195.92,67) v1(195.92,60.3) v1(195.91,36.65) v1(195.89,28.42) v1(195.99,65.22) v1(196.05,33.36) v1(196.09,63.22) v1(196.19,99.3) v1(196.25,49.75) v1(196.25,48.75) v1(196.25,47.75) v1(196.33,40.68) v1(196.3,39.93) v1(196.29,29.12) v1(196.39,97.42) v1(196.39,85.52) v1(196.39,78.42) v1(196.59,88.42) v1(196.59,87.22) v1(196.69,83.22) v1(196.72,29.86) v1(196.89,92.52) v1(197,41.97) v1(196.99,30.42) v1(197.09,33.72) v1(197.19,69.12) v1(197.19,65.62) v1(197.19,64.42) v1(197.46,41.66) v1(197.39,31.22) v1(197.79,31.92) v1(197.97,35.7) v1(197.97,34.44) v1(197.99,97.62) v1(197.99,88.72) v1(197.99,63.22) v1(198.09,85.32) v1(198.25,92.25) v1(198.24,38.34) v1(198.19,32.62) v1(198.29,99) v1(198.29,64.42) v1(198.39,80.82) v1(198.49,79.82) v1(198.59,33.22) v1(198.75,96.5) v1(198.69,81.52) v1(198.69,77.92) v1(198.69,73.32) v1(198.69,71.82) v1(198.69,70.42) v1(198.69,69.12) v1(198.89,98.42) v1(198.89,65.62) v1(198.89,36.52) v1(198.89,33.82) v1(199.09,90.72) v1(199.19,67.72) v1(199.25,34.57) v1(199.29,63.82) v1(199.52,38.33) v1(199.59,83.12) v1(199.69,97.62) v1(199.69,35.12) v1(199.89,61.42) v1(199.89,59.52) v1(200.05,42.24) v1(200.29,89.62) v1(200.29,81.52) v1(200.29,79.52) v1(200.39,92.32) v1(200.39,87.22) v1(200.39,77.72) v1(200.39,75.82) v1(200.39,66.52) v1(200.47,41.8) v1(200.5,95) v1(200.59,71.82) v1(200.59,70.42) v1(200.59,62.52) v1(200.59,35.72) v1(200.69,73.32) v1(200.69,69.12) v1(200.99,97.12) v1(200.99,78.72) v1(200.99,37.62) v1(201.09,61.12) v1(201.09,59.22) v1(201.19,88.02) v1(201.19,74.82) v1(201.39,35.75) v1(201.49,65.42) v1(201.5,63.75) v1(201.59,94.02) v1(201.59,83.12) v1(201.69,79.92) v1(201.69,77.52) v1(201.69,75.82) v1(201.71,41.99) v1(201.68,40.91) v1(201.79,73.32) v1(201.79,37.62) v1(201.89,81.52) v1(201.99,69.82) v1(202.19,97.12) v1(202.25,61.75) v1(202.29,67.72) v1(202.29,35.75) v1(202.39,59) v1(202.46,58) v1(202.49,95.42) v1(202.49,93.02) v1(202.5,42.53) v1(202.5,41.83) v1(203,66.5) v1(203.19,76.82) v1(203.29,78.52) v1(203.32,59) v1(203.36,58.17) v1(203.29,35.75) v1(203.39,97.12) v1(203.39,82.52) v1(203.39,80.02) v1(203.49,92.32) v1(203.49,42.62) v1(203.49,41.82) v1(203.59,39.02) v1(203.59,38.42) v1(204.09,74.92) v1(204.19,35.75) v1(204.29,73.02) v1(204.29,54.22) v1(204.39,67.22) v1(204.49,42.62) v1(204.57,42.01) v1(204.54,40.04) v1(204.59,81.32) v1(204.59,40.72) v1(204.69,95.42) v1(204.75,62.5) v1(204.69,38.42) v1(204.79,97.12) v1(204.79,60.12) v1(204.89,77.22) v1(204.89,39.02) v1(205,51.25) v1(205.25,66.5) v1(205.19,58.42) v1(205.25,52.25) v1(205.19,35.75) v1(205.42,39.37) v1(205.59,40.72) v1(205.61,40) v1(205.75,85.5) v1(205.75,62.5) v1(205.69,41.82) v1(205.79,80.02) v1(205.79,78.42) v1(205.99,97.12) v1(205.99,66.5) v1(205.99,60.12) v1(206.06,59.08) v1(206.11,50.97) v1(206.15,47.5) v1(206.17,38) v1(206.19,88.42) v1(206.19,81.72) v1(206.19,69.32) v1(206.19,48.22) v1(206.19,35.75) v1(206.29,41.82) v1(206.34,40.74) v1(206.28,40.12) v1(206.39,39.02) v1(206.5,84.89) v1(206.5,70.25) v1(206.79,60.12) v1(206.79,59.12) v1(206.89,65.92) v1(207.09,38.03) v1(207.19,97.12) v1(207.25,66.72) v1(207.19,48.32) v1(207.19,47.44) v1(207.19,35.75) v1(207.33,62.46) v1(207.39,81.42) v1(207.39,80.02) v1(207.39,78.42) v1(207.4,53.85) v1(207.57,41.85) v1(207.76,40.71) v1(207.99,53.12) v1(208.09,90.52) v1(208.19,35.75) v1(208.32,40.8) v1(208.39,97.12) v1(208.79,60.72) v1(208.89,77.22) v1(209.09,91.42) v1(209.09,80.52) v1(209.21,40.52) v1(209.27,39.48) v1(209.29,35.75) v1(209.79,97.12) v1(209.99,40.52) v1(209.99,39.52) v1(210.29,61.72) v1(210.39,80.02) v1(210.39,78.42) v1(210.39,60.12) v1(210.39,37.92) v1(210.49,91.82) v1(210.49,35.75) v1(210.69,53.42) v1(210.99,97.12) v1(210.99,39.52) v1(211.09,41.02) v1(211.59,91.22) v1(211.59,86.02) v1(211.59,35.75) v1(211.75,58.72) v1(211.87,57.82) v1(211.87,48.15) v1(211.85,47.06) v1(212,67) v1(211.99,66.02) v1(212.09,80.62) v1(212.19,97.12) v1(212.19,89.52) v1(212.19,51.22) v1(212.29,62.72) v1(212.35,40.34) v1(212.42,48.2) v1(212.42,47.04) v1(212.65,57.82) v1(212.75,58.82) v1(212.79,35.75) v1(212.99,61.72) v1(212.99,60.12) v1(213,39.44) v1(213.19,37.02) v1(213.29,66.02) v1(213.39,97.12) v1(213.39,86.92) v1(213.39,84.92) v1(213.39,67.92) v1(213.47,40.34) v1(213.69,94.82) v1(213.69,80.02) v1(213.69,78.42) v1(213.79,65.02) v1(213.79,44.52) v1(213.79,35.75) v1(213.89,82.62) v1(213.89,43.72) v1(214,51.25) v1(214.09,46.52) v1(214.39,37.02) v1(214.5,75.75) v1(214.5,74.75) v1(214.5,61.82) v1(214.77,43.22) v1(214.79,97.12) v1(214.79,45.42) v1(214.89,83.62) v1(214.89,43.82) v1(214.89,35.75) v1(215.09,42.62) v1(215.19,65.02) v1(215.29,60.02) v1(215.49,95.12) v1(215.5,75.75) v1(215.49,41.52) v1(215.59,51.32) v1(215.59,38.42) v1(215.75,94.25) v1(215.69,84.52) v1(215.69,48.62) v1(215.69,40.52) v1(215.89,45.42) v1(215.89,43.82) v1(215.89,39.52) v1(215.99,97.12) v1(215.99,46.82) v1(216.01,44.42) v1(216.09,86.42) v1(216.09,43.32) v1(216.19,35.75) v1(216.29,63.82) v1(216.39,51.62) v1(216.79,65.12) v1(216.79,42.02) v1(216.89,67.42) v1(216.89,45.42) v1(216.89,44.42) v1(217.19,97.12) v1(217.19,88.92) v1(217.29,40.82) v1(217.49,87.52) v1(217.49,84.62) v1(217.49,35.76) v1(217.69,94.42) v1(218,82.75) v1(218,70.75) v1(217.99,43.02) v1(218.1,46.65) v1(218.1,45.51) v1(218.29,95.42) v1(218.29,67.32) v1(218.39,97.12) v1(218.39,65.12) v1(218.49,35.73) v1(218.59,85.92) v1(218.79,96.32) v1(218.89,42.42) v1(218.99,94.72) v1(219,69.75) v1(219.09,45.62) v1(219.09,39.22) v1(219.19,87.82) v1(219.19,39.79) v1(219.49,89.22) v1(219.5,73.75) v1(219.5,53.25) v1(219.5,52.25) v1(219.5,50.25) v1(219.49,41.22) v1(219.59,35.73) v1(219.69,91.42) v1(219.79,65.12) v1(220.09,38.92) v1(220.19,42.72) v1(220.19,37.62) v1(220.37,44.38) v1(220.3,39.54) v1(220.39,45.52) v1(220.49,92.62) v1(220.5,73.75) v1(220.5,47.75) v1(220.59,35.73) v1(220.89,68.52) v1(221,71.25) v1(221,55.75) v1(221,53.25) v1(221,50.25) v1(220.99,41.02) v1(221.09,88.52) v1(221.09,84.12) v1(221.09,45.52) v1(221.19,44.42) v1(221.19,43.12) v1(221.29,37.62) v1(221.59,35.73) v1(221.69,92.62) v1(221.79,90.22) v1(221.89,91.42) v1(221.95,75.2) v1(222,72.75) v1(222,49.25) v1(221.99,41.82) v1(221.99,39.92) v1(222.09,84.12) v1(222.19,65.5) v1(222.29,63.22) v1(222.39,37.62) v1(222.55,75.8) v1(222.5,56.75) v1(222.5,53.25) v1(222.59,82.02) v1(222.59,70.32) v1(222.59,35.73) v1(222.79,89.02) v1(222.89,60.32) v1(223,72.75) v1(223.09,92.62) v1(223.19,68.32) v1(223.5,88.5) v1(223.5,48.25) v1(223.5,46.75) v1(223.69,35.73) v1(223.79,90.22) v1(224,87.25) v1(224,85.75) v1(223.99,62.52) v1(224.25,80.5) v1(224.29,92.62) v1(224.46,74.12) v1(224.49,82.02) v1(224.5,58) v1(224.5,43.92) v1(224.75,91.25) v1(224.69,35.73) v1(224.89,71.92) v1(225,85.75) v1(225,80.25) v1(225,55.75) v1(225,53.75) v1(225,49.25) v1(224.99,38.92) v1(225.09,83.82) v1(225.09,64.62) v1(225.09,63.22) v1(225.09,45.42) v1(225.09,44.52) v1(225.27,61.77) v1(225.79,35.73) v1(226,56.75) v1(226,43.25) v1(226.36,61.75) v1(226.34,61.13) v1(226.31,42.75) v1(226.34,38.92) v1(226.49,74.02) v1(226.49,71.92) v1(226.49,53.82) v1(226.59,75.62) v1(226.75,56.75) v1(226.75,55) v1(227.25,90.75) v1(227.29,87.62) v1(227.39,52.82) v1(227.69,72.22) v1(227.69,49.42) v1(228,54.75) v1(229.59,75.62) v1(229.59,74.02) v1(230.29,86.52) v1(230.44,48.29) v1(230.99,71.52) v1(230.99,38.92) v1(231,35.75) v1(231.19,74.02) v1(231.49,75.82) v1(231.5,52.25) v1(231.59,90.52) v1(231.59,42.02) v1(231.89,37.03) v1(231.9,35.75) v1(232,50.25) v1(232.29,81.72) v1(232.69,89.82) v1(232.69,71.02) v1(232.99,80.02) v1(232.99,59.62) v1(233,51.75) v1(233.09,58.72) v1(233.19,73.02) v1(233.5,35.75) v1(233.59,74.62) v1(233.69,81.22) v1(233.89,77.62) v1(233.99,75.92) v1(234.44,37.95) v1(234.49,80.52) v1(234.49,71.22) v1(234.69,58.72) v1(235,35.75) v1(235.09,84.92) v1(235.19,79.22) v1(235.39,52.75) v1(235.5,89.75) v1(235.69,65.42) v1(235.69,63.22) v1(235.79,77.62) v1(235.79,76.02) v1(235.99,83.52) v1(236,35.75) v1(236.09,92.82) v1(236.29,71.02) v1(236.39,89.75) v1(236.45,61.3) v1(236.45,39.8) v1(236.5,59.25) v1(236.5,57.75) v1(236.5,52.25) v1(236.5,45.75) v1(236.5,42.75) v1(236.5,37.75) v1(236.69,82.72) v1(236.69,80.92) v1(236.79,90.52) v1(236.79,89.02) v1(236.86,79.22) v1(236.79,65.52) v1(236.99,92.82) v1(237,62.8) v1(237.05,60.7) v1(237.09,91.82) v1(237.19,84.22) v1(237.29,70.12) v2(201.13,54.37)